# Altium PCB Hvamp_32.PCBDOC (part 6 of 6)
Units mm, origin at the board's own origin, x right, y up, seen from the top; angles counter-clockwise.
Board outline 125.1 x 100.1 mm, 6 copper layers (L1, L2, L3, L4, P5, L6), stack 1.514 mm thick; 578 components, 364 nets, 1709 pads, 908 vias.
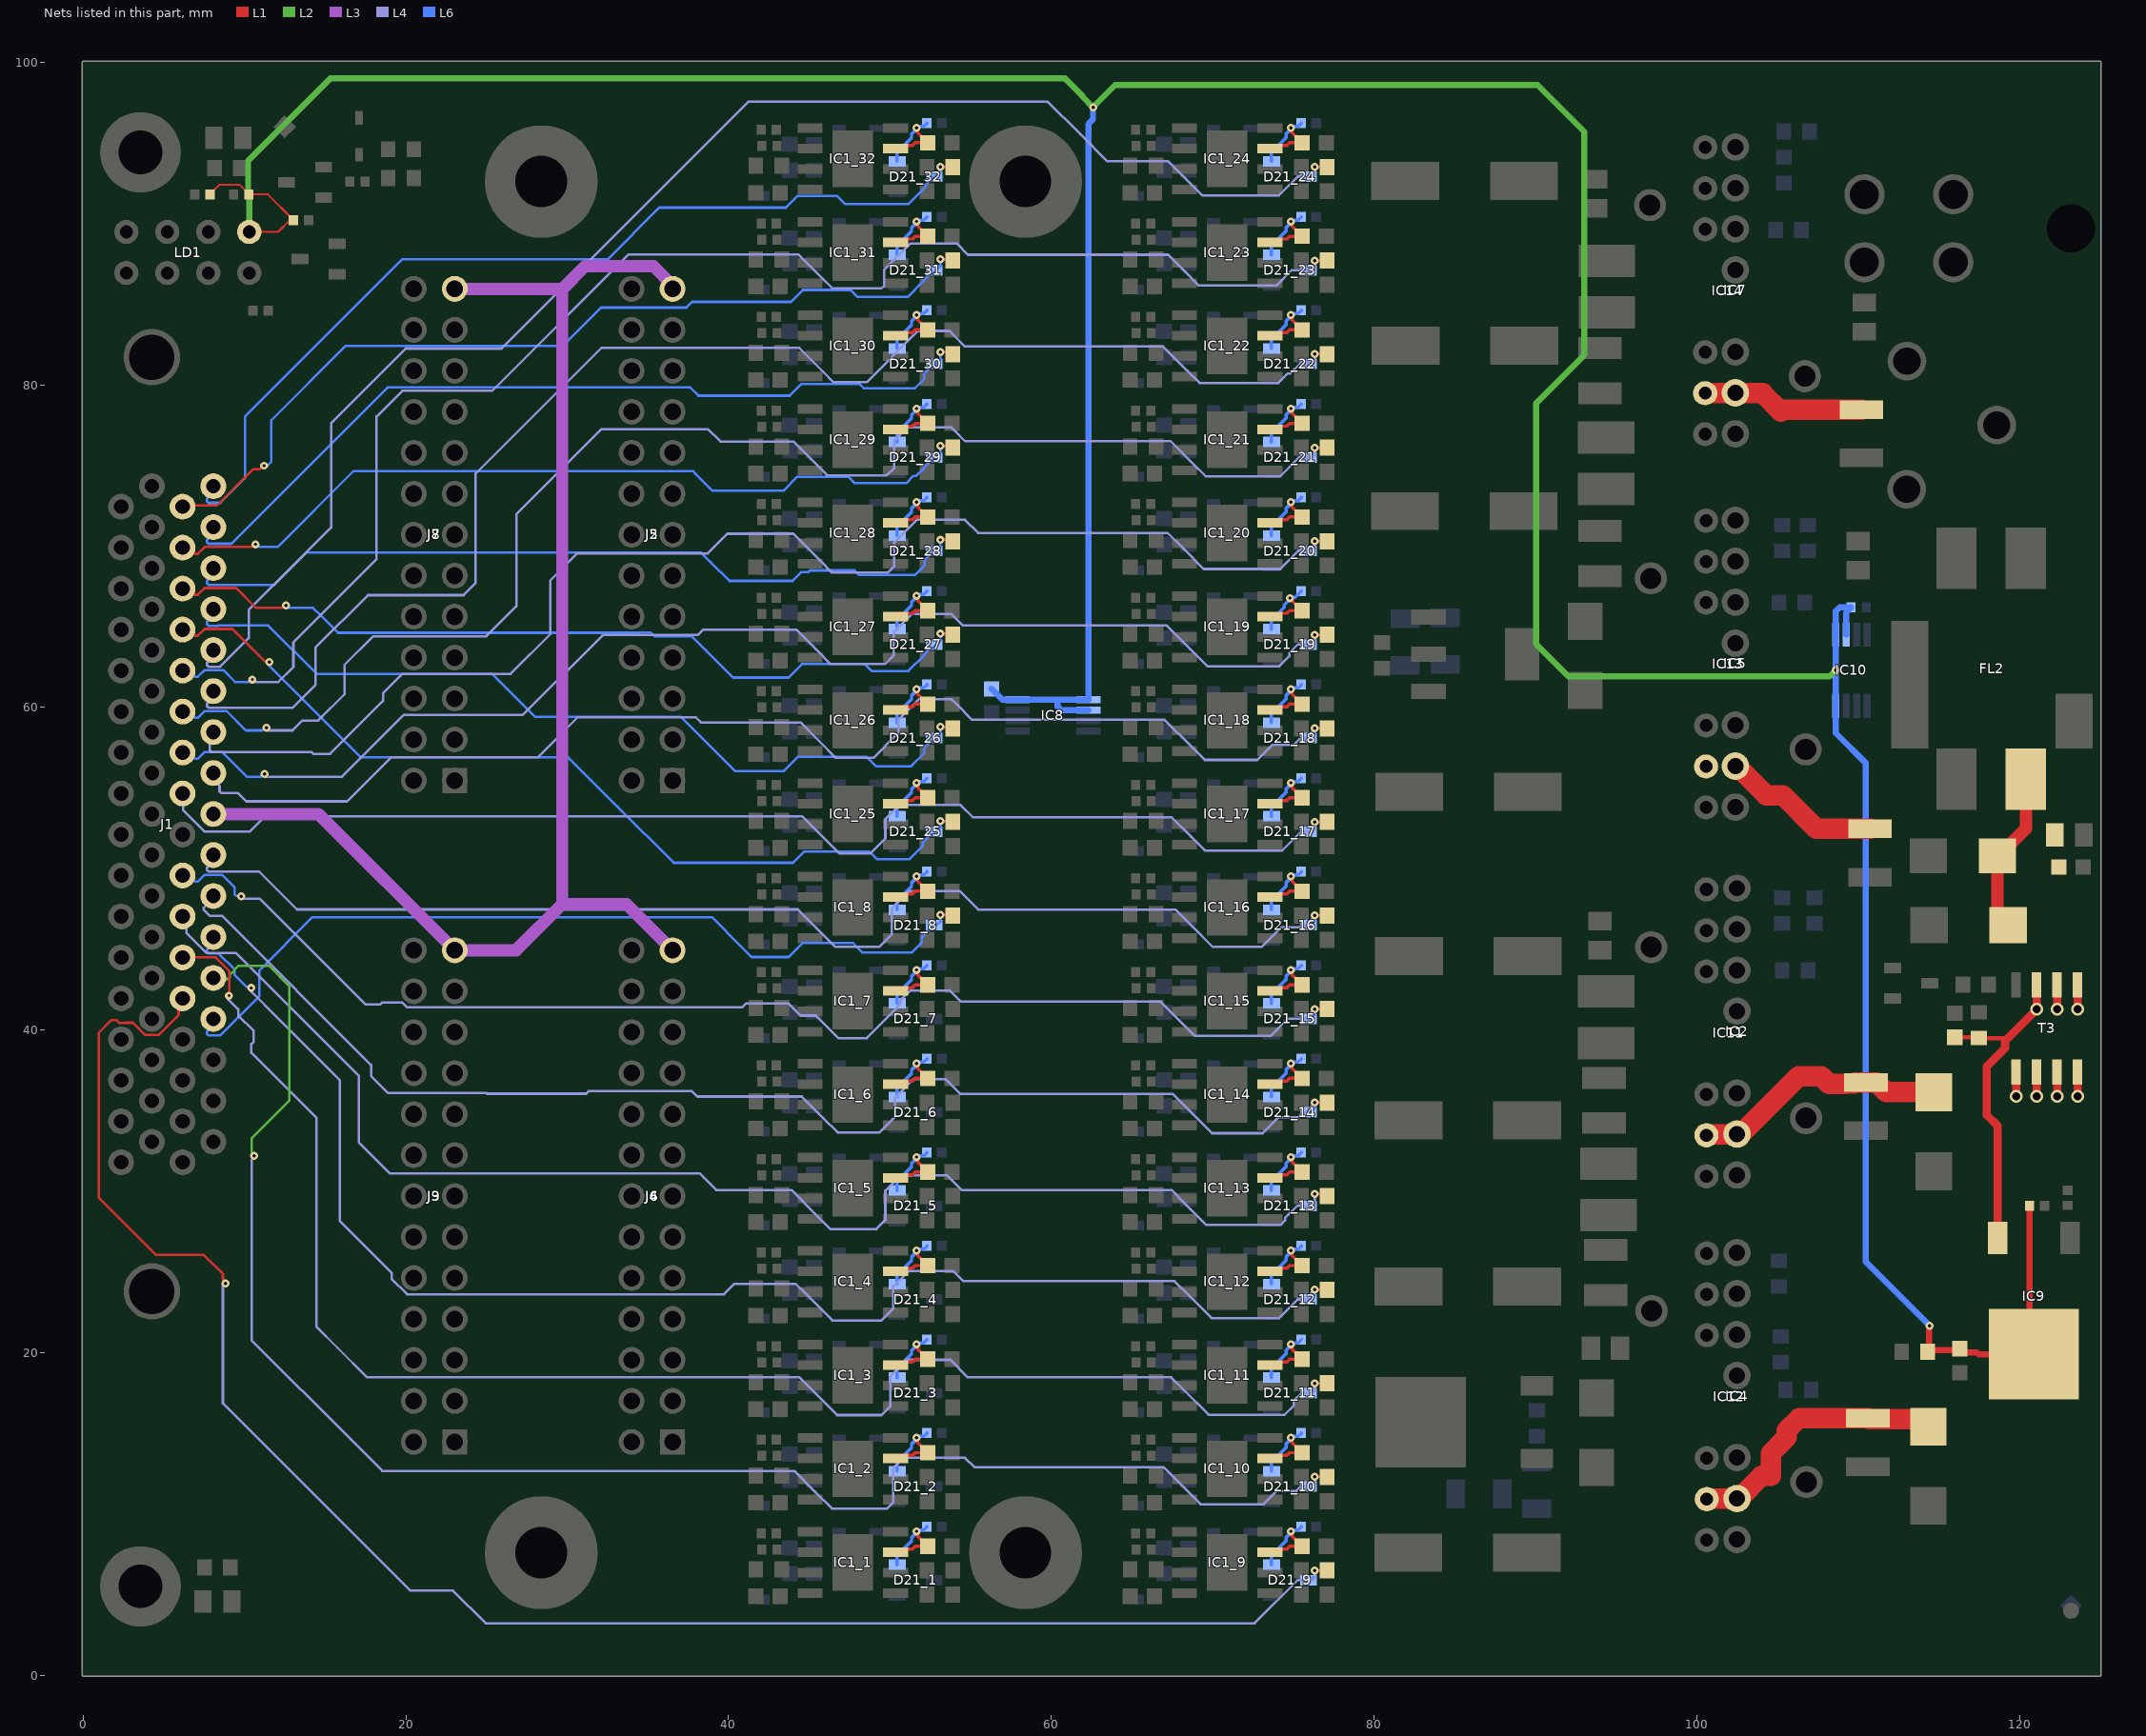
[diagram p10: the nets of this part, all layers, seen from the top]

## Via types
v1: diameter 0.5, hole 0.2, L1 to L6, tented both sides, 873 vias
v2: diameter 0.8, hole 0.5, L1 to L6, tented both sides, 35 vias

## Nets (pads, with @x,y where several pads share a name; then routed paths per layer and width w, separated by ;. In a path a pad name is that pad's centre, name@x,y a point inside that pad or via, vN(x,y) a via of type N, cw(c..) or ccw(c..) an arc to the next point about the centre after c; other vN are vias at no path point) (continued)
OUT_P8: D21_8.3 J1.8 R2_8.2 | length 54.4
  L1 w0.152: v1(53.137,47.142) 53.858,47.142 R2_8.2@53.9,47.1
  L6 w0.152: J1.8@8.07,40.691 8.07,40.3 7.684,39.914 7.684,39.752 7.773,39.663 8.496,39.663 10.929,42.095 10.929,43.694 14.225,46.99 38.964,46.99 40.78,45.174 41.427,44.526 43.714,44.526 44.578,45.39 47.727,45.39 48.316,44.8 51.345,44.8 51.981,45.435 51.981,45.754 52.503,46.277 52.598,46.277 52.822,46.5 D21_8.3@52.75,46.5 ; D21_8.3@52.878,46.5 52.888,46.5 53.137,46.749 v1(53.137,47.142)
OUT_P9: D21_9.3 J1.9 R2_9.2 | length 112
  L1 w0.152: J1.9@6.165,41.961 5.92,41.716 5.92,40.933 4.676,39.688 3.844,39.688 3.082,40.451 2.663,40.451 2.637,40.424 2.258,40.424 2.067,40.616 1.764,40.616 0.965,39.817 0.965,29.616 3.975,26.607 4.522,26.059 7.489,26.059 8.661,24.887 8.661,24.538 8.822,24.376 v1(8.822,24.282) ; v1(76.327,6.5) R2_9.2@77.1,6.5
  L4 w0.152: v1(8.822,24.282) 8.751,24.282 8.661,24.193 8.661,16.865 14.529,10.997 20.281,5.245 22.923,5.245 24.943,3.226 72.595,3.226 75.271,5.902 75.856,5.902 76.238,5.902 76.327,5.992 v1(76.327,6.5)
  L6 w0.152: D21_9.3@75.95,5.9 76.078,5.9 76.327,6.149 v1(76.327,6.5)
OUT_P10: D21_10.3 J1.10 R2_10.2 | length 105.4
  L1 w0.152: v1(10.6,32.207) v1@10.6,32.301 ; v1(76.327,12.3) R2_10.2@77.1,12.3
  L2 w0.152: J1.10@8.07,43.231 8.132,43.169 9.009,43.169 9.099,43.258 9.099,43.439 9.64,43.98 11.518,43.98 12.776,42.722 12.776,35.614 10.439,33.277 10.439,32.462 10.6,32.301 v1(10.6,32.207)
  L4 w0.152: v1(10.6,32.207) 10.6,32.113 10.439,31.952 10.439,20.777 16.625,14.592 18.545,12.672 44.072,12.672 45.359,11.385 46.407,10.338 49.835,10.338 50.216,10.719 50.216,12.852 50.852,13.487 54.661,13.487 55.245,12.903 66.953,12.903 68.745,11.111 69.252,10.604 73.165,10.604 73.991,11.43 75.192,11.43 75.464,11.702 75.856,11.702 76.238,11.702 76.327,11.792 v1(76.327,12.3)
  L6 w0.152: D21_10.3@75.95,11.7 76.078,11.7 76.327,11.949 v1(76.327,12.3)
OUT_P11: D21_11.3 J1.11 R2_11.2 | length 98.7
  L1 w0.152: J1.11@6.165,44.501 8.219,44.501 9.073,43.647 9.073,42.161 v1(9.044,42.131) ; v1(76.327,18.1) R2_11.2@77.1,18.1
  L4 w0.152: v1(9.044,42.131) 8.977,42.065 8.977,41.939 8.97,41.932 9.614,41.287 9.614,40.906 10.579,39.941 10.579,39.281 10.426,39.128 10.426,38.594 14.453,34.568 14.453,21.615 15.761,20.307 17.596,18.472 44.393,18.472 45.733,17.132 46.736,16.129 49.472,16.129 50.038,16.695 50.038,18.541 51.052,19.555 53.75,19.555 54.832,18.472 67.431,18.472 68.212,17.691 69.753,16.15 74.469,16.15 75.024,16.705 75.024,17.011 75.515,17.502 75.856,17.502 76.238,17.502 76.327,17.592 v1(76.327,18.1)
  L6 w0.152: D21_11.3@75.95,17.5 76.078,17.5 76.327,17.749 v1(76.327,18.1)
OUT_P12: D21_12.3 J1.12 R2_12.2 | length 91.1
  L1 w0.152: v1(76.327,23.9) R2_12.2@77.1,23.9
  L4 w0.152: v1(10.426,42.608) 10.375,42.557 10.375,42.431 10.979,41.827 11.43,41.376 15.9,36.905 15.9,28.169 17.895,26.174 19.12,24.949 19.12,24.58 20.078,23.622 39.726,23.622 40.376,24.272 44.156,24.272 44.692,23.736 46.431,21.996 49.48,21.996 50.216,22.732 50.216,24.104 51.169,25.057 53.937,25.057 54.559,24.435 67.64,24.435 68.568,23.507 69.926,22.149 74.118,22.149 75.271,23.302 75.743,23.302 76.327,23.887 v1(76.327,23.9)
  L6 w0.152: J1.12@8.07,45.771 8.07,45.38 7.684,44.994 7.684,44.832 7.773,44.743 8.408,44.743 9.393,43.758 9.393,43.412 10.132,42.674 10.359,42.674 v1(10.426,42.608) ; D21_12.3@75.95,23.3 76.078,23.3 76.327,23.549 v1(76.327,23.9)
OUT_P13: D21_13.3 J1.13 R2_13.2 | length 87.8
  L1 w0.152: v1(76.327,29.845) 76.955,29.845 R2_13.2@77.1,29.7
  L4 w0.152: J1.13@6.165,47.041 6.41,46.796 6.41,46.013 7.594,44.829 7.654,44.768 9.486,44.768 9.855,44.398 17.082,37.172 17.082,33.032 18.999,31.115 38.202,31.115 38.469,30.848 39.238,30.078 43.892,30.078 45.459,28.511 46.309,27.661 49.162,27.661 49.721,28.219 49.721,30.035 50.673,30.988 53.543,30.988 54.453,30.078 67.458,30.078 68.263,29.273 69.621,27.915 74.21,27.915 74.495,28.2 74.495,28.337 75.261,29.102 75.913,29.102 75.985,29.175 76.238,29.175 76.327,29.264 v1(76.327,29.845)
  L6 w0.152: D21_13.3@75.95,29.1 76.078,29.1 76.327,29.349 v1(76.327,29.845)
OUT_P14: D21_14.3 J1.14 R2_14.2 | length 82.1
  L1 w0.152: v1(76.327,35.5) R2_14.2@77.1,35.5
  L4 w0.152: J1.14@8.07,48.311 8.07,48.177 7.473,47.58 7.473,47.454 7.847,47.079 8.612,47.079 17.856,37.835 17.856,37.135 18.897,36.094 24.992,36.094 25.031,36.055 31.179,36.055 31.332,36.208 37.731,36.208 38.061,35.878 44.538,35.878 45.86,34.556 46.761,33.655 49.355,33.655 50.317,34.617 50.317,35.798 51.474,36.955 53.444,36.955 54.356,36.043 67.518,36.043 68.745,34.816 69.957,33.604 73.102,33.604 74.093,34.595 75.308,34.595 75.553,34.839 75.705,34.839 76.327,35.461 v1(76.327,35.5)
  L6 w0.152: D21_14.3@75.95,34.9 76.078,34.9 76.327,35.149 v1(76.327,35.5)
OUT_P15: D21_15.3 J1.15 R2_15.2 | length 80.1
  L1 w0.152: v1(76.327,41.3) R2_15.2@77.1,41.3
  L4 w0.152: v1(9.804,48.294) 9.821,48.294 9.982,48.133 10.959,48.133 17.513,41.579 18.415,41.579 18.53,41.694 19.785,41.694 20.077,41.403 40.845,41.403 41.098,41.656 43.694,41.656 44.456,40.894 45.414,40.894 46.811,39.497 48.566,39.497 50.648,41.578 50.648,41.829 51.274,42.455 53.71,42.455 54.407,41.758 66.777,41.758 68.161,40.373 68.885,39.649 73.621,39.649 74.674,40.702 75.755,40.702 75.844,40.792 75.844,40.817 v1(76.327,41.3)
  L6 w0.152: J1.15@6.165,49.581 6.557,49.581 6.943,49.195 7.104,49.195 7.528,49.619 8.612,49.619 9.378,48.853 9.378,48.418 9.467,48.329 9.769,48.329 v1(9.804,48.294) ; D21_15.3@75.95,40.7 76.078,40.7 76.327,40.949 v1(76.327,41.3)
OUT_P16: D21_16.3 J1.16 R2_16.2 | length 78
  L1 w0.152: v1(76.327,47.1) R2_16.2@77.1,47.1
  L4 w0.152: J1.16@8.07,50.851 8.07,50.46 7.684,50.074 7.684,49.912 7.773,49.823 10.909,49.823 13.253,47.478 44.292,47.478 45.657,46.113 46.62,45.15 49.339,45.15 50.114,45.925 50.114,47.523 51.207,48.616 54.331,48.616 54.623,48.323 55.474,47.473 67.688,47.473 68.745,46.416 70.011,45.15 73.04,45.15 74.27,46.38 75.42,46.38 75.481,46.441 75.733,46.441 76.327,47.036 v1(76.327,47.1)
  L6 w0.152: D21_16.3@75.95,46.5 76.078,46.5 76.327,46.749 v1(76.327,47.1)
OUT_P17: D21_17.3 J1.19 R2_17.2 | length 78.8
  L1 w0.152: v1(76.327,52.9) R2_17.2@77.1,52.9
  L4 w0.152: J1.19@6.165,54.661 6.195,54.631 6.195,53.633 7.529,52.299 10.313,52.299 11.253,53.238 44.577,53.238 45.758,52.057 46.865,50.95 48.791,50.95 49.721,51.88 49.721,53.073 50.598,53.95 54.381,53.95 55.143,53.188 67.462,53.188 68.669,51.981 69.52,51.13 74.321,51.13 75.493,52.302 75.856,52.302 76.238,52.302 76.327,52.392 v1(76.327,52.9)
  L6 w0.152: D21_17.3@75.95,52.3 76.078,52.3 76.327,52.549 v1(76.327,52.9)
OUT_P18: D21_18.3 J1.20 R2_18.2 | length 78.6
  L1 w0.152: v1(76.327,58.7) R2_18.2@77.1,58.7
  L4 w0.152: J1.20@8.07,55.931 8.07,55.54 8.458,55.151 8.458,54.789 8.547,54.699 9.588,54.699 10.109,54.178 16.358,54.178 19.076,56.896 28.169,56.896 30.659,59.385 37.973,59.385 38.286,59.072 44.458,59.072 45.631,57.899 46.66,56.871 48.972,56.871 50.521,58.419 50.521,59.232 51.793,60.505 53.821,60.505 54.14,60.185 55.093,59.233 67.023,59.233 68.745,57.511 69.512,56.744 72.772,56.744 73.712,57.683 75.038,57.683 75.394,58.039 75.73,58.039 76.327,58.636 v1(76.327,58.7)
  L6 w0.152: D21_18.3@75.95,58.1 76.078,58.1 76.327,58.349 v1(76.327,58.7)
OUT_P19: D21_19.3 J1.21 R2_19.2 | length 82.3
  L1 w0.152: v1(76.327,64.5) R2_19.2@77.1,64.5
  L4 w0.152: v1(11.252,55.863) 11.252,55.791 11.341,55.702 16.054,55.702 19.889,59.538 27.255,59.538 32.208,64.491 38.101,64.491 38.431,64.821 44.205,64.821 45.408,63.618 45.516,63.511 46.339,62.687 49.705,62.687 50.241,63.224 50.241,64.693 51.334,65.786 53.823,65.786 54.534,65.075 67.151,65.075 68.608,63.618 68.716,63.511 69.676,62.55 74.132,62.55 74.752,63.17 74.752,63.368 75.286,63.902 75.856,63.902 76.238,63.902 76.327,63.992 v1(76.327,64.5)
  L6 w0.152: J1.21@6.165,57.201 6.557,57.201 6.943,56.815 7.104,56.815 7.528,57.239 8.612,57.239 10.149,55.702 10.997,55.702 11.158,55.863 v1(11.252,55.863) ; D21_19.3@75.95,63.9 76.078,63.9 76.327,64.149 v1(76.327,64.5)
OUT_P20: D21_20.3 J1.22 R2_20.2 | length 84.8
  L1 w0.152: v1(76.327,70.3) R2_20.2@77.1,70.3
  L4 w0.152: J1.22@8.07,58.471 7.861,58.262 7.861,57.329 7.95,57.239 14.148,57.239 14.262,57.125 15.316,57.125 18.593,60.401 18.593,60.885 19.785,62.078 26.492,62.078 28.956,64.541 28.956,67.868 30.633,69.545 38.71,69.545 39.93,70.764 44.012,70.764 45.666,69.111 46.426,68.35 49.859,68.35 50.267,68.758 50.267,70.236 51.658,71.628 54.661,71.628 55.474,70.815 67.208,70.815 68.187,69.837 69.444,68.58 74.194,68.58 75.317,69.702 75.856,69.702 76.238,69.702 76.327,69.792 v1(76.327,70.3)
  L6 w0.152: D21_20.3@75.95,69.7 76.078,69.7 76.327,69.949 v1(76.327,70.3)
OUT_P21: D21_21.3 J1.23 R2_21.2 | length 90.6
  L1 w0.152: v1(76.327,76.1) R2_21.2@77.1,76.1
  L4 w0.152: v1(11.354,58.733) 11.354,58.699 11.481,58.572 12.98,58.572 13.59,59.182 14.58,59.182 16.205,60.808 16.205,62.636 17.984,64.414 24.994,64.414 26.848,66.269 26.848,71.983 32.119,77.254 38.722,77.254 39.498,76.478 44.022,76.478 45.084,75.416 46.116,74.384 49.822,74.384 50.267,74.828 50.267,76.555 51.08,77.368 53.797,77.368 53.988,77.178 54.661,76.505 67.386,76.505 68.745,75.146 69.571,74.32 74.194,74.32 75.376,75.502 75.856,75.502 76.238,75.502 76.327,75.592 v1(76.327,76.1)
  L6 w0.152: J1.23@6.165,59.741 6.557,59.741 6.943,59.355 7.104,59.355 7.528,59.779 8.885,59.779 10.091,58.572 11.099,58.572 11.26,58.733 v1(11.354,58.733) ; D21_21.3@75.95,75.5 76.078,75.5 76.327,75.749 v1(76.327,76.1)
OUT_P22: D21_22.3 J1.24 R2_22.2 | length 90.5
  L1 w0.152: v1(76.327,81.9) R2_22.2@77.1,81.9
  L4 w0.152: J1.24@8.07,61.011 8.07,60.62 7.684,60.234 7.684,60.072 7.773,59.983 12.993,59.983 14.402,61.392 14.402,63.702 17.654,66.954 23.571,66.954 24.333,67.716 24.333,74.497 32.114,82.278 44.391,82.278 45.885,80.784 46.507,80.162 48.566,80.162 51.741,83.337 53.696,83.337 54.013,83.02 54.661,82.372 66.929,82.372 68.441,80.861 69.19,80.112 74.081,80.112 74.674,80.705 74.816,80.705 75.413,81.302 75.856,81.302 76.238,81.302 76.327,81.392 v1(76.327,81.9)
  L6 w0.152: D21_22.3@75.95,81.3 76.078,81.3 76.327,81.549 v1(76.327,81.9)
OUT_P23: D21_23.3 J1.25 R2_23.2 | length 94.3
  L1 w0.152: v1(76.327,87.7) R2_23.2@77.1,87.7
  L4 w0.152: v1(10.49,61.731) 10.49,61.671 10.592,61.57 12.09,61.57 13.03,62.509 13.03,64.033 18.186,69.19 18.186,78.028 19.787,79.629 19.945,79.629 19.951,79.634 25.355,79.634 33.799,88.078 44.332,88.078 45.758,86.652 46.431,85.979 49.479,85.979 49.65,86.15 49.65,87.14 51.271,88.761 54.14,88.761 54.839,88.062 67.238,88.062 68.284,87.016 69.15,86.15 73.959,86.15 74.911,87.102 75.856,87.102 76.238,87.102 76.327,87.192 v1(76.327,87.7)
  L6 w0.152: J1.25@6.165,62.281 6.557,62.281 6.943,61.895 7.104,61.895 7.528,62.319 8.681,62.319 9.431,61.57 10.235,61.57 10.396,61.731 v1(10.49,61.731) ; D21_23.3@75.95,87.1 76.078,87.1 76.327,87.349 v1(76.327,87.7)
OUT_P24: D21_24.3 J1.26 R2_24.2 | length 94.2
  L1 w0.152: v1(76.327,93.5) R2_24.2@77.1,93.5
  L4 w0.152: J1.26@8.07,63.551 8.07,63.16 7.684,62.774 7.684,62.612 7.773,62.523 8.496,62.523 10.262,64.288 10.262,66.04 15.367,71.145 15.367,77.622 19.991,82.245 25.934,82.245 41.25,97.561 59.766,97.561 61.811,95.516 63.456,93.872 67.228,93.872 68.284,92.816 69.355,91.745 74.114,91.745 75.271,92.902 75.856,92.902 76.238,92.902 76.327,92.992 v1(76.327,93.5)
  L6 w0.152: D21_24.3@75.95,92.9 76.078,92.9 76.327,93.149 v1(76.327,93.5)
OUT_P25: D21_25.3 J1.27 R2_25.2 | length 56.1
  L1 w0.152: J1.27@6.165,64.821 6.557,64.821 6.943,64.435 7.104,64.435 7.528,64.859 9.258,64.859 11.25,62.868 11.477,62.868 v1(11.544,62.801) ; v1(53.127,52.959) 53.841,52.959 R2_25.2@53.9,52.9
  L6 w0.152: v1(11.544,62.801) 11.493,62.751 11.493,62.624 17.221,56.896 30.074,56.896 33.109,53.86 36.601,50.368 43.994,50.368 44.692,51.067 48.73,51.067 49.197,50.6 51.236,50.6 52.025,51.39 52.025,51.599 52.503,52.077 52.655,52.077 53.127,52.549 v1(53.127,52.959)
OUT_P26: D21_26.3 J1.28 R2_26.2 | length 53.2
  L1 w0.152: v1(53.127,58.801) 53.799,58.801 R2_26.2@53.9,58.7
  L6 w0.152: J1.28@8.07,66.091 8.07,65.7 7.684,65.314 7.684,65.152 7.773,65.063 8.382,65.063 8.394,65.075 11.476,65.075 14.474,62.078 25.349,62.078 26.429,60.998 28.016,59.411 37.046,59.411 38.997,57.46 40.399,56.058 43.431,56.058 44.32,56.947 48.539,56.947 49.136,56.35 51.321,56.35 52.114,57.143 52.114,57.488 52.503,57.877 52.655,57.877 53.127,58.349 v1(53.127,58.801)
OUT_P27: D21_27.3 J1.29 R2_27.2 | length 52.4
  L1 w0.152: J1.29@6.165,67.361 6.557,67.361 6.943,66.975 7.104,66.975 7.528,67.399 9.481,67.399 10.714,66.167 12.318,66.167 12.479,66.328 v1(12.573,66.328) ; v1(53.137,64.567) 53.833,64.567 R2_27.2@53.9,64.5
  L6 w0.152: v1(12.573,66.328) 12.573,66.256 12.662,66.167 14.249,66.167 14.707,65.709 15.793,64.623 34.408,64.623 34.428,64.643 35.178,64.643 35.268,64.554 35.427,64.394 37.739,64.394 38.57,63.563 40.284,61.849 43.714,61.849 44.552,62.687 48.438,62.687 48.87,62.255 51.144,62.255 52.127,63.239 52.127,63.301 52.503,63.677 52.665,63.677 53.137,64.149 v1(53.137,64.567)
OUT_P28: D21_28.3 J1.30 R2_28.2 | length 50.7
  L1 w0.152: v1(53.137,70.383) 53.817,70.383 R2_28.2@53.9,70.3
  L6 w0.152: J1.30@8.07,68.631 8.07,68.24 7.684,67.854 7.684,67.692 7.773,67.603 11.85,67.603 13.844,69.596 38.303,69.596 38.9,68.999 40.056,67.843 43.969,67.843 44.515,68.389 44.946,68.389 45.048,68.491 47.815,68.491 48.108,68.199 51.562,68.199 52.152,68.789 52.152,69.126 52.503,69.477 52.598,69.477 52.822,69.7 D21_28.3@52.75,69.7 ; D21_28.3@52.878,69.7 52.888,69.7 53.137,69.949 v1(53.137,70.383)
OUT_P29: D21_29.3 J1.31 R2_29.2 | length 52.5
  L1 w0.152: J1.31@6.165,69.901 6.557,69.901 6.943,69.515 7.104,69.515 7.541,69.952 10.438,69.952 10.599,70.113 v1(10.693,70.113) ; v1(53.127,76.2) 53.8,76.2 R2_29.2@53.9,76.1
  L6 w0.152: v1(10.693,70.113) 10.787,70.113 10.949,69.952 12.066,69.952 16.765,74.651 37.795,74.651 37.986,74.46 39.014,73.431 43.405,73.431 44.268,74.295 47.423,74.295 47.709,74.009 47.813,73.905 51.024,73.905 51.474,74.355 51.651,74.355 52.135,74.839 52.135,74.901 52.511,75.277 52.655,75.277 53.127,75.749 v1(53.127,76.2)
OUT_P30: D21_30.3 J1.32 R2_30.2 | length 53.4
  L1 w0.152: v1(53.127,82.017) 53.783,82.017 R2_30.2@53.9,81.9
  L6 w0.152: J1.32@8.07,71.171 8.07,70.78 7.684,70.394 7.684,70.232 7.773,70.143 9.183,70.143 18.873,79.832 37.632,79.832 38.14,79.324 43.79,79.324 44.505,80.039 48.13,80.039 48.388,79.781 51.562,79.781 52.127,80.346 52.127,80.701 52.503,81.077 52.655,81.077 53.127,81.549 v1(53.127,82.017)
OUT_P31: D21_31.3 J1.33 R2_31.2 | length 56.3
  L1 w0.152: J1.33@6.165,72.441 6.241,72.517 8.295,72.517 10.548,74.771 10.96,74.771 11.174,74.984 v1(11.223,74.984) ; v1(53.127,87.782) 53.818,87.782 R2_31.2@53.9,87.7
  L6 w0.152: v1(11.223,74.984) 11.265,74.942 11.392,74.942 11.659,75.209 11.659,77.799 16.257,82.398 29.719,82.398 32.106,84.785 37.39,84.785 37.745,85.141 43.867,85.141 44.603,85.877 47.573,85.877 48.004,85.446 51.106,85.446 52.089,86.429 52.089,86.463 52.503,86.877 52.651,86.877 53.06,87.287 53.065,87.287 53.127,87.349 v1(53.127,87.782)
OUT_P32: D21_32.3 J1.34 R2_32.2 | length 59.7
  L1 w0.152: v1(53.127,93.5) R2_32.2@53.9,93.5
  L6 w0.152: J1.34@8.07,73.711 8.07,73.32 7.684,72.934 7.684,72.772 7.773,72.683 8.496,72.683 10.033,74.22 10.033,78.033 19.773,87.773 32.503,87.773 35.713,90.983 43.556,90.983 44.267,91.694 46.736,91.694 47.219,91.211 51.156,91.211 52.216,92.272 52.216,92.39 52.503,92.677 52.555,92.677 D21_32.3@52.778,92.9 ; D21_32.3@52.75,92.9 D21_32.3@52.778,92.9 ; D21_32.3@52.778,92.9 52.878,92.9 53.127,93.149 v1(53.127,93.5) 53.06,93.433 53.06,93.182 D21_32.3@52.778,92.9
P3V3: C22.2 C26.2 IC8.1 IC8.2 IC8.8 IC9.2 IC10.1 IC10.2 IC10.8 LD1.8 R26.2 R29.2 R30.2 R31.2 R46.1 R55.2 | length 266.6
  L1 w0.127: R29.2@7.87,91.8 7.87,91.82 8.455,92.405 9.685,92.405 10.27,91.82 R55.2@10.27,91.8 11.45,91.8 13.03,90.22 R30.2@13.03,90.2 13.025,90.195 12.802,90.195 12.082,89.476 LD1.8@10.298,89.476
  L1 w0.381: R26.2@114.313,20.066 R26.2@114.405,20.158 ; v1(114.435,21.675) 114.412,21.653 114.412,20.165 R26.2@114.405,20.158 ; R31.2@120.63,29.1 120.63,20.17 IC9.2@120.9,19.9 117.47,19.9 117.347,20.024 116.526,20.024 C22.2@116.3,20.25 116.208,20.158 R26.2@114.405,20.158
  L2 w0.381: LD1.8@10.298,89.476 10.298,91.815 10.228,91.885 10.228,93.895 15.316,98.984 60.858,98.984 61.919,97.923 61.919,97.877 v1(62.611,97.184) ; v1@62.611,97.231 63.957,98.577 90.145,98.577 93.04,95.682 93.04,81.839 90.043,78.842 90.043,63.932 92.05,61.925 108.245,61.925 v1(108.626,62.306)
  L6 w0.381: C26.2@56.3,61.15 56.975,60.475 IC8.8@57.9,60.475 60.401,60.475 ; IC8.2@62.3,59.825 60.624,59.825 60.401,60.048 60.401,60.475 ; v1(62.611,97.184) 62.588,97.162 62.588,96.461 62.3,96.172 IC8.1@62.3,60.475 60.401,60.475 ; IC10.2@109.276,64.506 109.276,65.886 109.563,66.172 R46.1@109.563,66.192 108.849,66.192 108.626,65.969 IC10.1@108.626,64.506 v1(108.626,62.306) IC10.8@108.626,60.106 108.626,58.404 110.49,56.54 110.49,25.62 v1(114.435,21.675)
P12V0: C14.2 C24.1 C27.1 C30.2 D1.1 FL2.2 IC9.3 R27.1 T3.1 T3.2 T3.3 | length 33.6
  L1 w0.254: C24.1@116,39.55 R27.1@117.5,39.55 ; R27.1@117.5,39.5 119.292,39.5
  L1 w0.508: IC9.3@118.65,27.1 118.65,34.055 117.983,34.722 117.983,37.744 119.114,38.875 119.114,39.322 119.342,39.55 v2(121.082,41.29) ; v2@121.065,41.307 T3.3@121.065,42.8 ; v2@122.335,41.307 T3.2@122.335,42.8 ; v2@123.605,41.307 T3.1@123.605,42.8
  L1 w0.762: C27.1@119.3,46.5 118.65,47.15 D1.1@118.65,50.8 118.725,50.8 120.4,52.475 FL2.2@120.4,55.55
  other v2: 122.352,41.29 123.622,41.29
P12V0_SW: C5.2 C12.1 C16.2 C17.1 C29.2 C53.2 IC2.2 IC4.2 IC5.2 IC7.2 IC11.2 IC12.2 IC13.2 IC14.2 T3.5 T3.6 T3.7 T3.8 | length 59.4
  L1 w0.508: T3.5@119.795,37.4 119.795,35.907 v2(119.812,35.89) ; v2@121.065,35.907 T3.6@121.065,37.4 ; v2@122.335,35.907 T3.7@122.335,37.4 ; v2@123.605,35.907 T3.8@123.605,37.4
  L1 w1.27: IC14.2@100.53,79.475 100.542,79.488 100.554,79.475 104.091,79.475 105.232,78.334 105.361,78.462 C16.2@110.211,78.462 ; IC11.2@100.606,33.476 100.65,33.52 102.709,33.52 106.326,37.137 107.723,37.137 108.216,36.645 109.268,36.645 109.318,36.695 109.775,36.695 109.835,36.755 C5.2@110.49,36.755 111.145,36.755 111.75,36.15 C17.1@114.7,36.15 ; IC12.2@100.631,10.921 100.651,10.94 102.48,10.94 IC4.2@102.5,10.96 102.616,10.96 104.026,12.37 104.597,12.37 104.597,13.767 105.588,14.757 105.588,15.183 106.332,15.927 C53.2@110.617,15.927 110.677,15.867 113.888,15.867 C12.1@114.351,15.404 ; IC5.2@102.4,56.36 102.516,56.36 104.317,54.559 105.334,54.559 107.415,52.478 C29.2@110.744,52.478
  other v2: 121.082,35.89 122.352,35.89 123.622,35.89
P13V0_SCSI: J1.18 J2.25 J3.25 J4.25 J5.25 J6.25 J7.25 J8.25 J9.25 | length 87.3
  L3 w0.762: J1.18@8.07,53.391 14.587,53.391 J9.25@23.032,44.946 26.836,44.946 29.693,47.803 ; J8.25@23.032,85.946 29.674,85.946 29.693,85.927 ; J6.25@36.532,44.946 33.676,47.803 29.693,47.803 ; J2.25@36.532,85.946 36.532,86.159 35.341,87.351 31.116,87.351 29.693,85.927 ; 29.693,47.803 29.693,85.927
P_HV_CH_1: C154_1.2 D21_1.2 IC1_1.7 L2_1.2 | length 6.6
  L1 w0.203: IC1_1.7@50.35,7.635 50.548,7.833 51.404,7.833 51.57,8 C154_1.2@52.35,8 51.716,8.634 51.716,8.869 v1(51.659,8.926)
  L6 w0.203: D21_1.2@50.45,6.85 50.45,7.417 51.344,8.312 51.344,8.531 v1@51.739,8.926 ; v1(51.659,8.926) v1@51.74,8.926 ; v1@51.808,9.007 52.097,9.007 52.296,9.205 L2_1.2@52.296,9.215
P_HV_CH_2: C154_2.2 D21_2.2 IC1_2.7 L2_2.2 | length 6.6
  L1 w0.203: IC1_2.7@50.35,13.435 50.548,13.633 51.404,13.633 51.57,13.8 C154_2.2@52.35,13.8 51.716,14.434 51.716,14.669 v1(51.659,14.726)
  L6 w0.203: D21_2.2@50.45,12.65 50.45,13.217 51.344,14.112 51.344,14.331 v1@51.739,14.726 ; v1(51.659,14.726) v1@51.74,14.726 ; v1@51.808,14.807 52.097,14.807 52.296,15.005 L2_2.2@52.296,15.015
P_HV_CH_3: C154_3.2 D21_3.2 IC1_3.7 L2_3.2 | length 6.6
  L1 w0.203: IC1_3.7@50.35,19.235 50.548,19.433 51.404,19.433 51.57,19.6 C154_3.2@52.35,19.6 51.716,20.234 51.716,20.469 v1(51.659,20.526)
  L6 w0.203: D21_3.2@50.45,18.45 50.45,19.017 51.344,19.912 51.344,20.131 v1@51.739,20.526 ; v1(51.659,20.526) v1@51.74,20.526 ; v1@51.808,20.607 52.097,20.607 52.296,20.805 L2_3.2@52.296,20.815
P_HV_CH_4: C154_4.2 D21_4.2 IC1_4.7 L2_4.2 | length 6.6
  L1 w0.203: IC1_4.7@50.35,25.035 50.548,25.233 51.404,25.233 51.57,25.4 C154_4.2@52.35,25.4 51.716,26.034 51.716,26.269 v1(51.659,26.326)
  L6 w0.203: D21_4.2@50.45,24.25 50.45,24.817 51.344,25.712 51.344,25.931 v1@51.739,26.326 ; v1(51.659,26.326) v1@51.74,26.326 ; v1@51.808,26.407 52.097,26.407 52.296,26.605 L2_4.2@52.296,26.615
P_HV_CH_5: C154_5.2 D21_5.2 IC1_5.7 L2_5.2 | length 6.6
  L1 w0.203: IC1_5.7@50.35,30.835 50.548,31.033 51.404,31.033 51.57,31.2 C154_5.2@52.35,31.2 51.716,31.834 51.716,32.069 v1(51.659,32.126)
  L6 w0.203: D21_5.2@50.45,30.05 50.45,30.617 51.344,31.512 51.344,31.731 v1@51.739,32.126 ; v1(51.659,32.126) v1@51.74,32.126 ; v1@51.808,32.207 52.097,32.207 52.296,32.405 L2_5.2@52.296,32.415
P_HV_CH_6: C154_6.2 D21_6.2 IC1_6.7 L2_6.2 | length 6.6
  L1 w0.203: IC1_6.7@50.35,36.635 50.548,36.833 51.404,36.833 51.57,37 C154_6.2@52.35,37 51.716,37.634 51.716,37.869 v1(51.659,37.926)
  L6 w0.203: D21_6.2@50.45,35.85 50.45,36.417 51.344,37.312 51.344,37.531 v1@51.739,37.926 ; v1(51.659,37.926) v1@51.74,37.926 ; v1@51.808,38.007 52.097,38.007 52.296,38.205 L2_6.2@52.296,38.215
P_HV_CH_7: C154_7.2 D21_7.2 IC1_7.7 L2_7.2 | length 6.6
  L1 w0.203: IC1_7.7@50.35,42.435 50.548,42.633 51.404,42.633 51.57,42.8 C154_7.2@52.35,42.8 51.716,43.434 51.716,43.669 v1(51.659,43.726)
  L6 w0.203: D21_7.2@50.45,41.65 50.45,42.217 51.344,43.112 51.344,43.331 v1@51.739,43.726 ; v1(51.659,43.726) v1@51.74,43.726 ; v1@51.808,43.807 52.097,43.807 52.296,44.005 L2_7.2@52.296,44.015
P_HV_CH_8: C154_8.2 D21_8.2 IC1_8.7 L2_8.2 | length 6.6
  L1 w0.203: IC1_8.7@50.35,48.235 50.548,48.433 51.404,48.433 51.57,48.6 C154_8.2@52.35,48.6 51.716,49.234 51.716,49.469 v1(51.659,49.526)
  L6 w0.203: D21_8.2@50.45,47.45 50.45,48.017 51.344,48.912 51.344,49.131 v1@51.739,49.526 ; v1(51.659,49.526) v1@51.74,49.526 ; v1@51.808,49.607 52.097,49.607 52.296,49.805 L2_8.2@52.296,49.815
P_HV_CH_9: C154_9.2 D21_9.2 IC1_9.7 L2_9.2 | length 6.6
  L1 w0.203: IC1_9.7@73.55,7.635 73.748,7.833 74.604,7.833 74.77,8 C154_9.2@75.55,8 74.916,8.634 74.916,8.869 v1(74.859,8.926)
  L6 w0.203: D21_9.2@73.65,6.85 73.65,7.417 74.544,8.312 74.544,8.531 v1@74.939,8.926 ; v1(74.859,8.926) v1@74.94,8.926 ; v1@75.008,9.007 75.297,9.007 75.496,9.205 L2_9.2@75.496,9.215
P_HV_CH_10: C154_10.2 D21_10.2 IC1_10.7 L2_10.2 | length 6.6
  L1 w0.203: IC1_10.7@73.55,13.435 73.748,13.633 74.604,13.633 74.77,13.8 C154_10.2@75.55,13.8 74.916,14.434 74.916,14.669 v1(74.859,14.726)
  L6 w0.203: D21_10.2@73.65,12.65 73.65,13.217 74.544,14.112 74.544,14.331 v1@74.939,14.726 ; v1(74.859,14.726) v1@74.94,14.726 ; v1@75.009,14.807 75.297,14.807 75.496,15.005 L2_10.2@75.496,15.015
P_HV_CH_11: C154_11.2 D21_11.2 IC1_11.7 L2_11.2 | length 6.6
  L1 w0.203: IC1_11.7@73.55,19.235 73.748,19.433 74.604,19.433 74.77,19.6 C154_11.2@75.55,19.6 74.916,20.234 74.916,20.469 v1(74.859,20.526)
  L6 w0.203: D21_11.2@73.65,18.45 73.65,19.017 74.544,19.912 74.544,20.131 v1@74.939,20.526 ; v1(74.859,20.526) v1@74.94,20.526 ; v1@75.009,20.607 75.297,20.607 75.496,20.805 L2_11.2@75.496,20.815
P_HV_CH_12: C154_12.2 D21_12.2 IC1_12.7 L2_12.2 | length 6.6
  L1 w0.203: IC1_12.7@73.55,25.035 73.748,25.233 74.604,25.233 74.77,25.4 C154_12.2@75.55,25.4 74.916,26.034 74.916,26.269 v1(74.859,26.326)
  L6 w0.203: D21_12.2@73.65,24.25 73.65,24.817 74.544,25.712 74.544,25.931 v1@74.939,26.326 ; v1(74.859,26.326) v1@74.94,26.326 ; v1@75.009,26.407 75.297,26.407 75.496,26.605 L2_12.2@75.496,26.615
P_HV_CH_13: C154_13.2 D21_13.2 IC1_13.7 L2_13.2 | length 6.6
  L1 w0.203: IC1_13.7@73.55,30.835 73.748,31.033 74.604,31.033 74.77,31.2 C154_13.2@75.55,31.2 74.916,31.834 74.916,32.069 v1(74.859,32.126)
  L6 w0.203: D21_13.2@73.65,30.05 73.65,30.617 74.544,31.512 74.544,31.731 v1@74.939,32.126 ; v1(74.859,32.126) v1@74.94,32.126 ; v1@75.009,32.207 75.297,32.207 75.496,32.405 L2_13.2@75.496,32.415
P_HV_CH_14: C154_14.2 D21_14.2 IC1_14.7 L2_14.2 | length 6.6
  L1 w0.203: IC1_14.7@73.55,36.635 73.748,36.833 74.604,36.833 74.77,37 C154_14.2@75.55,37 74.916,37.634 74.916,37.869 v1(74.859,37.926)
  L6 w0.203: D21_14.2@73.65,35.85 73.65,36.417 74.544,37.312 74.544,37.531 v1@74.939,37.926 ; v1(74.859,37.926) v1@74.94,37.926 ; v1@75.009,38.007 75.297,38.007 75.496,38.205 L2_14.2@75.496,38.215
P_HV_CH_15: C154_15.2 D21_15.2 IC1_15.7 L2_15.2 | length 6.6
  L1 w0.203: IC1_15.7@73.55,42.435 73.748,42.633 74.604,42.633 74.77,42.8 C154_15.2@75.55,42.8 74.916,43.434 74.916,43.669 v1(74.859,43.726)
  L6 w0.203: D21_15.2@73.65,41.65 73.65,42.217 74.544,43.112 74.544,43.331 v1@74.939,43.726 ; v1(74.859,43.726) v1@74.94,43.726 ; v1@75.009,43.807 75.297,43.807 75.496,44.005 L2_15.2@75.496,44.015
P_HV_CH_16: C154_16.2 D21_16.2 IC1_16.7 L2_16.2 | length 6.6
  L1 w0.203: IC1_16.7@73.55,48.235 73.748,48.433 74.604,48.433 74.77,48.6 C154_16.2@75.55,48.6 74.916,49.234 74.916,49.469 v1(74.859,49.526)
  L6 w0.203: D21_16.2@73.65,47.45 73.65,48.017 74.544,48.912 74.544,49.131 v1@74.939,49.526 ; v1(74.859,49.526) v1@74.94,49.526 ; v1@75.009,49.607 75.297,49.607 75.496,49.805 L2_16.2@75.496,49.815
P_HV_CH_17: C154_17.2 D21_17.2 IC1_17.7 L2_17.2 | length 6.6
  L1 w0.203: IC1_17.7@73.55,54.035 73.748,54.233 74.604,54.233 74.77,54.4 C154_17.2@75.55,54.4 74.916,55.034 74.916,55.269 v1(74.859,55.326)
  L6 w0.203: D21_17.2@73.65,53.25 73.65,53.817 74.544,54.712 74.544,54.931 v1@74.939,55.326 ; v1(74.859,55.326) v1@74.94,55.326 ; v1@75.009,55.407 75.297,55.407 75.496,55.605 L2_17.2@75.496,55.615
P_HV_CH_18: C154_18.2 D21_18.2 IC1_18.7 L2_18.2 | length 6.6
  L1 w0.203: IC1_18.7@73.55,59.835 73.748,60.033 74.604,60.033 74.77,60.2 C154_18.2@75.55,60.2 74.916,60.834 74.916,61.069 v1(74.859,61.126)
  L6 w0.203: D21_18.2@73.65,59.05 73.65,59.617 74.544,60.512 74.544,60.731 v1@74.939,61.126 ; v1(74.859,61.126) v1@74.94,61.126 ; v1@75.009,61.207 75.297,61.207 75.496,61.405 L2_18.2@75.496,61.415
P_HV_CH_19: C154_19.2 D21_19.2 IC1_19.7 L2_19.2 | length 6.5
  L1 w0.203: IC1_19.7@73.55,65.635 73.748,65.833 74.604,65.833 74.77,66 C154_19.2@75.55,66 74.803,66.747 v1(74.803,66.777)
  L6 w0.203: D21_19.2@73.65,64.85 73.65,65.417 74.442,66.209 74.442,66.353 74.803,66.714 v1(74.803,66.777) 74.86,66.833 75.124,66.833 75.496,67.205 L2_19.2@75.496,67.215
P_HV_CH_20: C154_20.2 D21_20.2 IC1_20.7 L2_20.2 | length 6.6
  L1 w0.203: IC1_20.7@73.55,71.435 73.748,71.633 74.604,71.633 74.77,71.8 C154_20.2@75.55,71.8 74.916,72.434 74.916,72.669 v1(74.859,72.726)
  L6 w0.203: D21_20.2@73.65,70.65 73.65,71.217 74.544,72.112 74.544,72.331 v1@74.939,72.726 ; v1(74.859,72.726) v1@74.94,72.726 ; v1@75.009,72.807 75.297,72.807 75.496,73.005 L2_20.2@75.496,73.015
P_HV_CH_21: C154_21.2 D21_21.2 IC1_21.7 L2_21.2 | length 6.6
  L1 w0.203: IC1_21.7@73.55,77.235 73.748,77.433 74.604,77.433 74.77,77.6 C154_21.2@75.55,77.6 74.916,78.234 74.916,78.469 v1(74.859,78.526)
  L6 w0.203: D21_21.2@73.65,76.45 73.65,77.017 74.544,77.912 74.544,78.131 v1@74.939,78.526 ; v1(74.859,78.526) v1@74.94,78.526 ; v1@75.009,78.607 75.297,78.607 75.496,78.805 L2_21.2@75.496,78.815
P_HV_CH_22: C154_22.2 D21_22.2 IC1_22.7 L2_22.2 | length 6.6
  L1 w0.203: IC1_22.7@73.55,83.035 73.748,83.233 74.604,83.233 74.77,83.4 C154_22.2@75.55,83.4 74.916,84.034 74.916,84.269 v1(74.859,84.326)
  L6 w0.203: D21_22.2@73.65,82.25 73.65,82.817 74.544,83.712 74.544,83.931 v1@74.939,84.326 ; v1(74.859,84.326) v1@74.94,84.326 ; v1@75.009,84.407 75.297,84.407 75.496,84.605 L2_22.2@75.496,84.615
P_HV_CH_23: C154_23.2 D21_23.2 IC1_23.7 L2_23.2 | length 6.6
  L1 w0.203: IC1_23.7@73.55,88.835 73.748,89.033 74.604,89.033 74.77,89.2 C154_23.2@75.55,89.2 74.916,89.834 74.916,90.069 v1(74.859,90.126)
  L6 w0.203: D21_23.2@73.65,88.05 73.65,88.617 74.544,89.512 74.544,89.731 v1@74.939,90.126 ; v1(74.859,90.126) v1@74.94,90.126 ; v1@75.009,90.207 75.297,90.207 75.496,90.405 L2_23.2@75.496,90.415
P_HV_CH_24: C154_24.2 D21_24.2 IC1_24.7 L2_24.2 | length 6.6
  L1 w0.203: IC1_24.7@73.55,94.635 73.748,94.833 74.604,94.833 74.77,95 C154_24.2@75.55,95 74.916,95.634 74.916,95.869 v1(74.859,95.926)
  L6 w0.203: D21_24.2@73.65,93.85 73.65,94.417 74.544,95.312 74.544,95.531 v1@74.939,95.926 ; v1(74.859,95.926) v1@74.94,95.926 ; v1@75.009,96.007 75.297,96.007 75.496,96.205 L2_24.2@75.496,96.215
P_HV_CH_25: C154_25.2 D21_25.2 IC1_25.7 L2_25.2 | length 6.6
  L1 w0.203: IC1_25.7@50.35,54.035 50.548,54.233 51.404,54.233 51.57,54.4 C154_25.2@52.35,54.4 51.716,55.034 51.716,55.269 v1(51.659,55.326)
  L6 w0.203: D21_25.2@50.45,53.25 50.45,53.817 51.344,54.712 51.344,54.931 v1@51.739,55.326 ; v1(51.659,55.326) v1@51.74,55.326 ; v1@51.808,55.407 52.097,55.407 52.296,55.605 L2_25.2@52.296,55.615
P_HV_CH_26: C154_26.2 D21_26.2 IC1_26.7 L2_26.2 | length 6.6
  L1 w0.203: IC1_26.7@50.35,59.835 50.548,60.033 51.404,60.033 51.57,60.2 C154_26.2@52.35,60.2 51.716,60.834 51.716,61.069 v1(51.659,61.126)
  L6 w0.203: D21_26.2@50.45,59.05 50.45,59.617 51.344,60.512 51.344,60.731 v1@51.739,61.126 ; v1(51.659,61.126) v1@51.74,61.126 ; v1@51.808,61.207 52.097,61.207 52.296,61.405 L2_26.2@52.296,61.415
P_HV_CH_27: C154_27.2 D21_27.2 IC1_27.7 L2_27.2 | length 6.6
  L1 w0.203: IC1_27.7@50.35,65.635 50.548,65.833 51.404,65.833 51.57,66 C154_27.2@52.35,66 51.716,66.634 51.716,66.869 v1(51.659,66.926)
  L6 w0.203: D21_27.2@50.45,64.85 50.45,65.417 51.344,66.312 51.344,66.531 v1@51.739,66.926 ; v1(51.659,66.926) v1@51.74,66.926 ; v1@51.808,67.007 52.097,67.007 52.296,67.205 L2_27.2@52.296,67.215
P_HV_CH_28: C154_28.2 D21_28.2 IC1_28.7 L2_28.2 | length 6.6
  L1 w0.203: IC1_28.7@50.35,71.435 50.548,71.633 51.404,71.633 51.57,71.8 C154_28.2@52.35,71.8 51.716,72.434 51.716,72.669 v1(51.659,72.726)
  L6 w0.203: D21_28.2@50.45,70.65 50.45,71.217 51.344,72.112 51.344,72.331 v1@51.739,72.726 ; v1(51.659,72.726) v1@51.74,72.726 ; v1@51.808,72.807 52.097,72.807 52.296,73.005 L2_28.2@52.296,73.015
P_HV_CH_29: C154_29.2 D21_29.2 IC1_29.7 L2_29.2 | length 6.6
  L1 w0.203: IC1_29.7@50.35,77.235 50.548,77.433 51.404,77.433 51.57,77.6 C154_29.2@52.35,77.6 51.716,78.234 51.716,78.469 v1(51.659,78.526)
  L6 w0.203: D21_29.2@50.45,76.45 50.45,77.017 51.344,77.912 51.344,78.131 v1@51.739,78.526 ; v1(51.659,78.526) v1@51.74,78.526 ; v1@51.808,78.607 52.097,78.607 52.296,78.805 L2_29.2@52.296,78.815
P_HV_CH_30: C154_30.2 D21_30.2 IC1_30.7 L2_30.2 | length 6.6
  L1 w0.203: IC1_30.7@50.35,83.035 50.548,83.233 51.404,83.233 51.57,83.4 C154_30.2@52.35,83.4 51.716,84.034 51.716,84.269 v1(51.659,84.326)
  L6 w0.203: D21_30.2@50.45,82.25 50.45,82.817 51.344,83.712 51.344,83.931 v1@51.739,84.326 ; v1(51.659,84.326) v1@51.74,84.326 ; v1@51.808,84.407 52.097,84.407 52.296,84.605 L2_30.2@52.296,84.615
P_HV_CH_31: C154_31.2 D21_31.2 IC1_31.7 L2_31.2 | length 6.6
  L1 w0.203: IC1_31.7@50.35,88.835 50.548,89.033 51.404,89.033 51.57,89.2 C154_31.2@52.35,89.2 51.716,89.834 51.716,90.069 v1(51.659,90.126)
  L6 w0.203: D21_31.2@50.45,88.05 50.45,88.617 51.344,89.512 51.344,89.731 v1@51.739,90.126 ; v1(51.659,90.126) v1@51.74,90.126 ; v1@51.808,90.207 52.097,90.207 52.296,90.405 L2_31.2@52.296,90.415
P_HV_CH_32: C154_32.2 D21_32.2 IC1_32.7 L2_32.2 | length 6.6
  L1 w0.203: IC1_32.7@50.35,94.635 50.548,94.833 51.404,94.833 51.57,95 C154_32.2@52.35,95 51.716,95.634 51.716,95.869 v1(51.659,95.926)
  L6 w0.203: D21_32.2@50.45,93.85 50.45,94.417 51.344,95.312 51.344,95.531 v1@51.739,95.926 ; v1(51.659,95.926) v1@51.74,95.926 ; v1@51.808,96.007 52.097,96.007 52.296,96.205 L2_32.2@52.296,96.215
pads on no net: FTG1.FTG2 FTG2.1 FTG3.1 FTG4.1 IC2.3 IC4.3 IC5.3 IC7.3 IC11.3 IC11.9 IC11.12 IC12.3 IC12.9 IC12.12 IC13.3 IC13.9 IC13.12 IC14.3 IC14.9 IC14.12 J20.5

## Polygon pours and split planes (outlines as drawn)
no net on L1 "balancing" (solid, pour order 127): 124.5,96.5 0.5,96.5 0.5,3 124.5,3
P12V0 on L1 "P12V0_L01_P121" (solid, pour order 121): 118.364,58.217 121.895,58.217 123.1,57.011 123.1,45.937 124.765,44.272 124.765,40.665 124.199,40.1 120.885,40.1 120.345,40.64 120.345,43.917 119.863,44.399 117.907,44.399 116.713,45.593 116.713,52.324 118.034,53.645 118.034,57.861 118.364,58.191
HV_POS on L3 "HV_POS_L03_P129" (solid, remove dead copper, pour order 129): 87.5,10 87.5,5 85,2.5 53,2.5 52.5,3 52.5,96 53,96.5 54,96.5 54.6,95.9 54.6,5.4 55.5,4.5 75.5,4.5 76,5 76,96 76.5,96.5 77.5,96.5 78,96 78,5 78.5,4.5 83.5,4.5 85.5,6.5 85.5,10 86,10.5 87,10.5
HV_NEG on L3 "HV_NEG_L03_P128" (solid, remove dead copper, pour order 128): 83.5,56.5 82.5,56.5 80.5,58.5 80.5,95.5 79,97 67,97 66.5,96.5 66.5,5.5 66,5 65.5,5 65,5.5 65,96 64.5,96.5 55.5,96.5 55,97 43.965,97 43.5,96.535 43.5,5.5 43,5 42,5 41.5,5.5 41.5,99 79.5,99 82,96.5 82,62 84,60 84,57
no net on L3 "balancing" (solid, pour order 125): 124.5,96.5 0.5,96.5 0.5,3 124.5,3
P12V0_SW on L3 "P12V0_SW_L03_P122" (solid, pour order 122): 104.165,81.356 124.714,60.808 124.714,17.526 116.662,9.474 99.238,9.474 96.317,12.395 96.317,79.527 98.146,81.356 99.085,81.356
no net on L6 "balancing" (solid, pour order 123): 124.5,96.5 0.5,96.5 0.5,3 124.5,3
no net on L4 "balancing" (solid, pour order 124): 124.5,96.5 0.5,96.5 0.5,3 124.5,3
no net on L2 "balancing" (solid, pour order 126): 124.5,96.5 0.5,96.5 0.5,3 124.5,3
GND on P5 (split plane): 124.54,0.46 92.814,0.46 92.81,0.46 92.809,0.46 92.809,0.498 92.766,0.48 92.768,0.46 75.041,0.46 75.043,0.48 75,0.498 75,0.46 74.999,0.46 74.996,0.46 0.46,0.46 0.46,99.54 124.54,99.54

## Keep-outs
L1:
  lines w0.1: 1,8.103 1.996,8.103 ccw(c1.996,8.61) 2.355,8.251 cw(c2.357,8.249) 2.357,8.252 4.09,8.252 cw(c4.09,6.025) 5.665,7.6 6.187,7.078 cw(c5.64,6.531) 6.413,6.531 ; 1,91.923 2,91.923 2.423,91.5 5.389,91.5 ; 6.096,3.023 6.096,3.614 6.413,3.931 6.413,4.581
  lines w0.254: -0.032,2.623 122.352,2.623 ; 0.051,97.993 124.587,97.993
L6:
  lines w0.1: 1,8.103 2.35,8.103 2.538,8.29 4.975,8.29 6.413,6.852 6.413,4.256 6.096,3.939 6.096,3.023 ; 1,91.923 2,91.923 2.423,91.5 5.32,91.5
  lines w0.127: 0.292,97.968 125,97.993
  lines w0.254: -0.025,2.489 124.9,2.489
KeepOutLayer:
  drawing of 3399 lines, arcs and shapes, not listed

## Other copper
L2:
  rectangle net N_HV_CH_27: 46.406,63.398 48.895,66.37
  rectangle net N_HV_CH_9: 69.606,5.258 72.095,8.382
  rectangle net N_HV_CH_10: 69.606,11.058 72.095,14.182
  rectangle net N_HV_CH_11: 69.606,16.858 72.095,19.982
  rectangle net N_HV_CH_12: 69.606,22.658 72.095,25.782
  rectangle net N_HV_CH_13: 69.606,28.458 72.095,31.582
  rectangle net N_HV_CH_14: 69.606,34.258 72.095,37.382
  rectangle net N_HV_CH_15: 69.606,40.058 72.095,43.182
  rectangle net N_HV_CH_16: 69.606,45.858 72.095,48.982
  rectangle net N_HV_CH_17: 69.606,51.658 72.095,54.782
  rectangle net N_HV_CH_18: 69.606,57.458 72.095,60.582
  rectangle net N_HV_CH_19: 69.606,63.258 72.095,66.382
  rectangle net N_HV_CH_20: 69.606,69.058 72.095,72.182
  rectangle net N_HV_CH_21: 69.606,74.858 72.095,77.982
  rectangle net N_HV_CH_22: 69.606,80.658 72.095,83.782
  rectangle net N_HV_CH_23: 69.606,86.458 72.095,89.582
  rectangle net N_HV_CH_24: 69.606,92.258 72.095,95.382
  rectangle net N_HV_CH_32: 46.406,92.258 48.895,95.382
  rectangle net N_HV_CH_31: 46.406,86.458 48.895,89.582
  rectangle net N_HV_CH_30: 46.406,80.658 48.895,83.782
  rectangle net N_HV_CH_29: 46.406,74.858 48.895,77.982
  rectangle net N_HV_CH_28: 46.406,69.058 48.895,72.182
  rectangle net N_HV_CH_26: 46.403,57.468 48.893,60.592
  rectangle net N_HV_CH_25: 46.406,51.658 48.895,54.782
  rectangle net N_HV_CH_8: 46.406,45.858 48.895,48.982
  rectangle net N_HV_CH_7: 46.406,40.058 48.895,43.182
  rectangle net N_HV_CH_6: 46.406,34.258 48.895,37.382
  rectangle net N_HV_CH_5: 46.406,28.458 48.895,31.582
  rectangle net N_HV_CH_4: 46.406,22.658 48.895,25.782
  rectangle net N_HV_CH_3: 46.406,16.858 48.895,19.982
  rectangle net N_HV_CH_2: 46.406,11.058 48.895,14.182
  rectangle net N_HV_CH_1: 46.406,5.258 48.895,8.382

## Silkscreen, mask and mechanical layers (free items; w line width, h text height)
Top Overlay:
  drawing of 1239 lines, arcs and shapes, not listed
  text "DAC OUT 24-31" at 17.018,55.626 h2.03 r90
  text "DAC OUT 16-23" at 30.2,55.5 h2.03 r90
  text "WUT ISE 2024 & / Uni. of Oxf. 2024" at 62.6,50.3 h1.02 r90
  text "HVAMP_32 v1.0.2" at 58.1,44.3 h2.03 r90
  text "DAC OUT 8-15" at 30.289,20.925 h2.03 r90
  text "DAC OUT 0-7" at 17.018,15.748 h2.03 r90
Mechanical1:
  lines w0.1: 20,0 25,0 70.25,0 75,0 ; 92.809,0 75,0 ; 95,0 115.25,0 ; 0,0 0,100 125,100 125,0 120,0 115.25,0 ; 0,0 20.25,0 0,0 ; 75,0 115.25,0
Mechanical4:
  lines w0.508: -2.544,-15.25 -2.544,114.162
  lines w1: 41.263,5.031 41.263,95.031 116.263,95.031 116.263,5.031 41.263,5.031 ; 122.263,55.031 157.263,55.031 157.263,95.031 122.263,95.031 122.263,55.031
Mechanical8:
  lines w0.2: 91.741,18.259 101.737,18.259 ; 207.359,90.959 217.101,90.959 ; 207.396,77.663 207.396,90.959 207.396,102.69

## Text inside footprints (layer, text, board x,y; h text height)
IC11: Top Overlay "8" at 99.106,49.466 h1.5 r180; Top Overlay "1" at 99.106,31.686 h1.5 r180; Mechanical14 "8" at 99.106,49.466 h1.5 r180; Mechanical14 "1" at 99.106,31.686 h1.5 r180; Mechanical8 "2" at 99.106,34.226 h1.5 r180; Mechanical8 "3" at 99.106,36.766 h1.5 r180; Mechanical8 "6" at 99.106,44.386 h1.5 r180; Mechanical8 "7" at 99.106,46.926 h1.5 r180
IC12: Top Overlay "8" at 99.131,26.911 h1.5 r180; Top Overlay "1" at 99.131,9.131 h1.5 r180; Mechanical14 "8" at 99.131,26.911 h1.5 r180; Mechanical14 "1" at 99.131,9.131 h1.5 r180; Mechanical8 "2" at 99.131,11.671 h1.5 r180; Mechanical8 "3" at 99.131,14.211 h1.5 r180; Mechanical8 "6" at 99.131,21.831 h1.5 r180; Mechanical8 "7" at 99.131,24.371 h1.5 r180
IC13: Top Overlay "8" at 99.084,72.327 h1.5 r180; Top Overlay "1" at 99.084,54.547 h1.5 r180; Mechanical14 "8" at 99.084,72.327 h1.5 r180; Mechanical14 "1" at 99.084,54.547 h1.5 r180; Mechanical8 "2" at 99.084,57.087 h1.5 r180; Mechanical8 "3" at 99.084,59.627 h1.5 r180; Mechanical8 "6" at 99.084,67.247 h1.5 r180; Mechanical8 "7" at 99.084,69.787 h1.5 r180
IC14: Top Overlay "8" at 99.03,95.465 h1.5 r180; Top Overlay "1" at 99.03,77.685 h1.5 r180; Mechanical14 "8" at 99.03,95.465 h1.5 r180; Mechanical14 "1" at 99.03,77.685 h1.5 r180; Mechanical8 "2" at 99.03,80.225 h1.5 r180; Mechanical8 "3" at 99.03,82.765 h1.5 r180; Mechanical8 "6" at 99.03,90.385 h1.5 r180; Mechanical8 "7" at 99.03,92.925 h1.5 r180
J1: Top Overlay "33" at 5.6,76.411 h1 r270; Top Overlay "68" at 3.6,77.011 h1 r270; Top Overlay "67" at 1.85,76.111 h1 r270; Top Overlay "34" at 7.55,77.211 h1 r270; Top Overlay "35" at 1.715,30.361 h1 r270; Top Overlay "2" at 7.615,31.261 h1 r270; Top Overlay "1" at 5.665,30.361 h1 r270; Top Overlay "36" at 3.865,31.261 h1 r270; Mechanical14 "33" at 5.6,76.411 h1.02 r270; Mechanical14 "68" at 3.6,77.011 h1.02 r270; Mechanical14 "67" at 1.85,76.111 h1.02 r270; Mechanical14 "34" at 7.55,77.211 h1.02 r270; Mechanical14 "35" at 1.715,30.361 h1.02 r270; Mechanical14 "2" at 7.615,31.261 h1.02 r270; Mechanical14 "1" at 5.665,30.361 h1.02 r270; Mechanical14 "36" at 3.865,31.261 h1.02 r270; Mechanical8 "PCB Edge" at -0.99,57.081 h1.2 r270
J3: Top Overlay "26" at 19.095,44.311 h1.02 r90; Mechanical14 "26" at 19.095,44.311 h1.02 r90
J4: Top Overlay "26" at 32.595,44.311 h1.02 r90; Mechanical14 "26" at 32.595,44.311 h1.02 r90
J5: Top Overlay "26" at 32.595,85.311 h1.02 r90; Mechanical14 "26" at 32.595,85.311 h1.02 r90
J7: Top Overlay "26" at 19.095,85.311 h1.02 r90; Mechanical14 "26" at 19.095,85.311 h1.02 r90
J20: Top Overlay "1" at 114.95,94.175 h1.2 r270; Mechanical14 "1" at 114.95,94.175 h1.2 r270
J26: Mechanical8 "2.5mm" at 128.6,74.2 h1 r90; Mechanical8 "SLEEVE SHUNT" at 119.625,81.725 h0.5 r180; Mechanical8 "CENTER PIN" at 118.525,73.8 h0.5 r180
LD1: Top Overlay "A" at 1.897,87.875 h1 r90; Top Overlay "B" at 4.437,87.875 h1 r90; Top Overlay "C" at 6.977,87.875 h1 r90; Top Overlay "D" at 9.517,87.875 h1 r90; Top Overlay "A" at 11.568,89.095 h1; Top Overlay "C" at 11.568,86.555 h1; Mechanical14 "A" at 1.897,87.875 h1 r90; Mechanical14 "B" at 4.437,87.875 h1 r90; Mechanical14 "C" at 6.977,87.875 h1 r90; Mechanical14 "D" at 9.517,87.875 h1 r90; Mechanical14 "C" at 11.568,86.555 h1; Mechanical14 "A" at 11.568,89.095 h1